# Altium PCB qfc.PcbDoc (part 13 of 13)
Units mil, origin at the board's own origin, x right, y up, seen from the top; angles counter-clockwise.
Board outline 1990 x 2620 mil, 4 copper layers (Top Layer, Mid-Layer 1, Mid-Layer 2, Bottom Layer); 217 components, 187 nets, 805 pads, 370 vias.
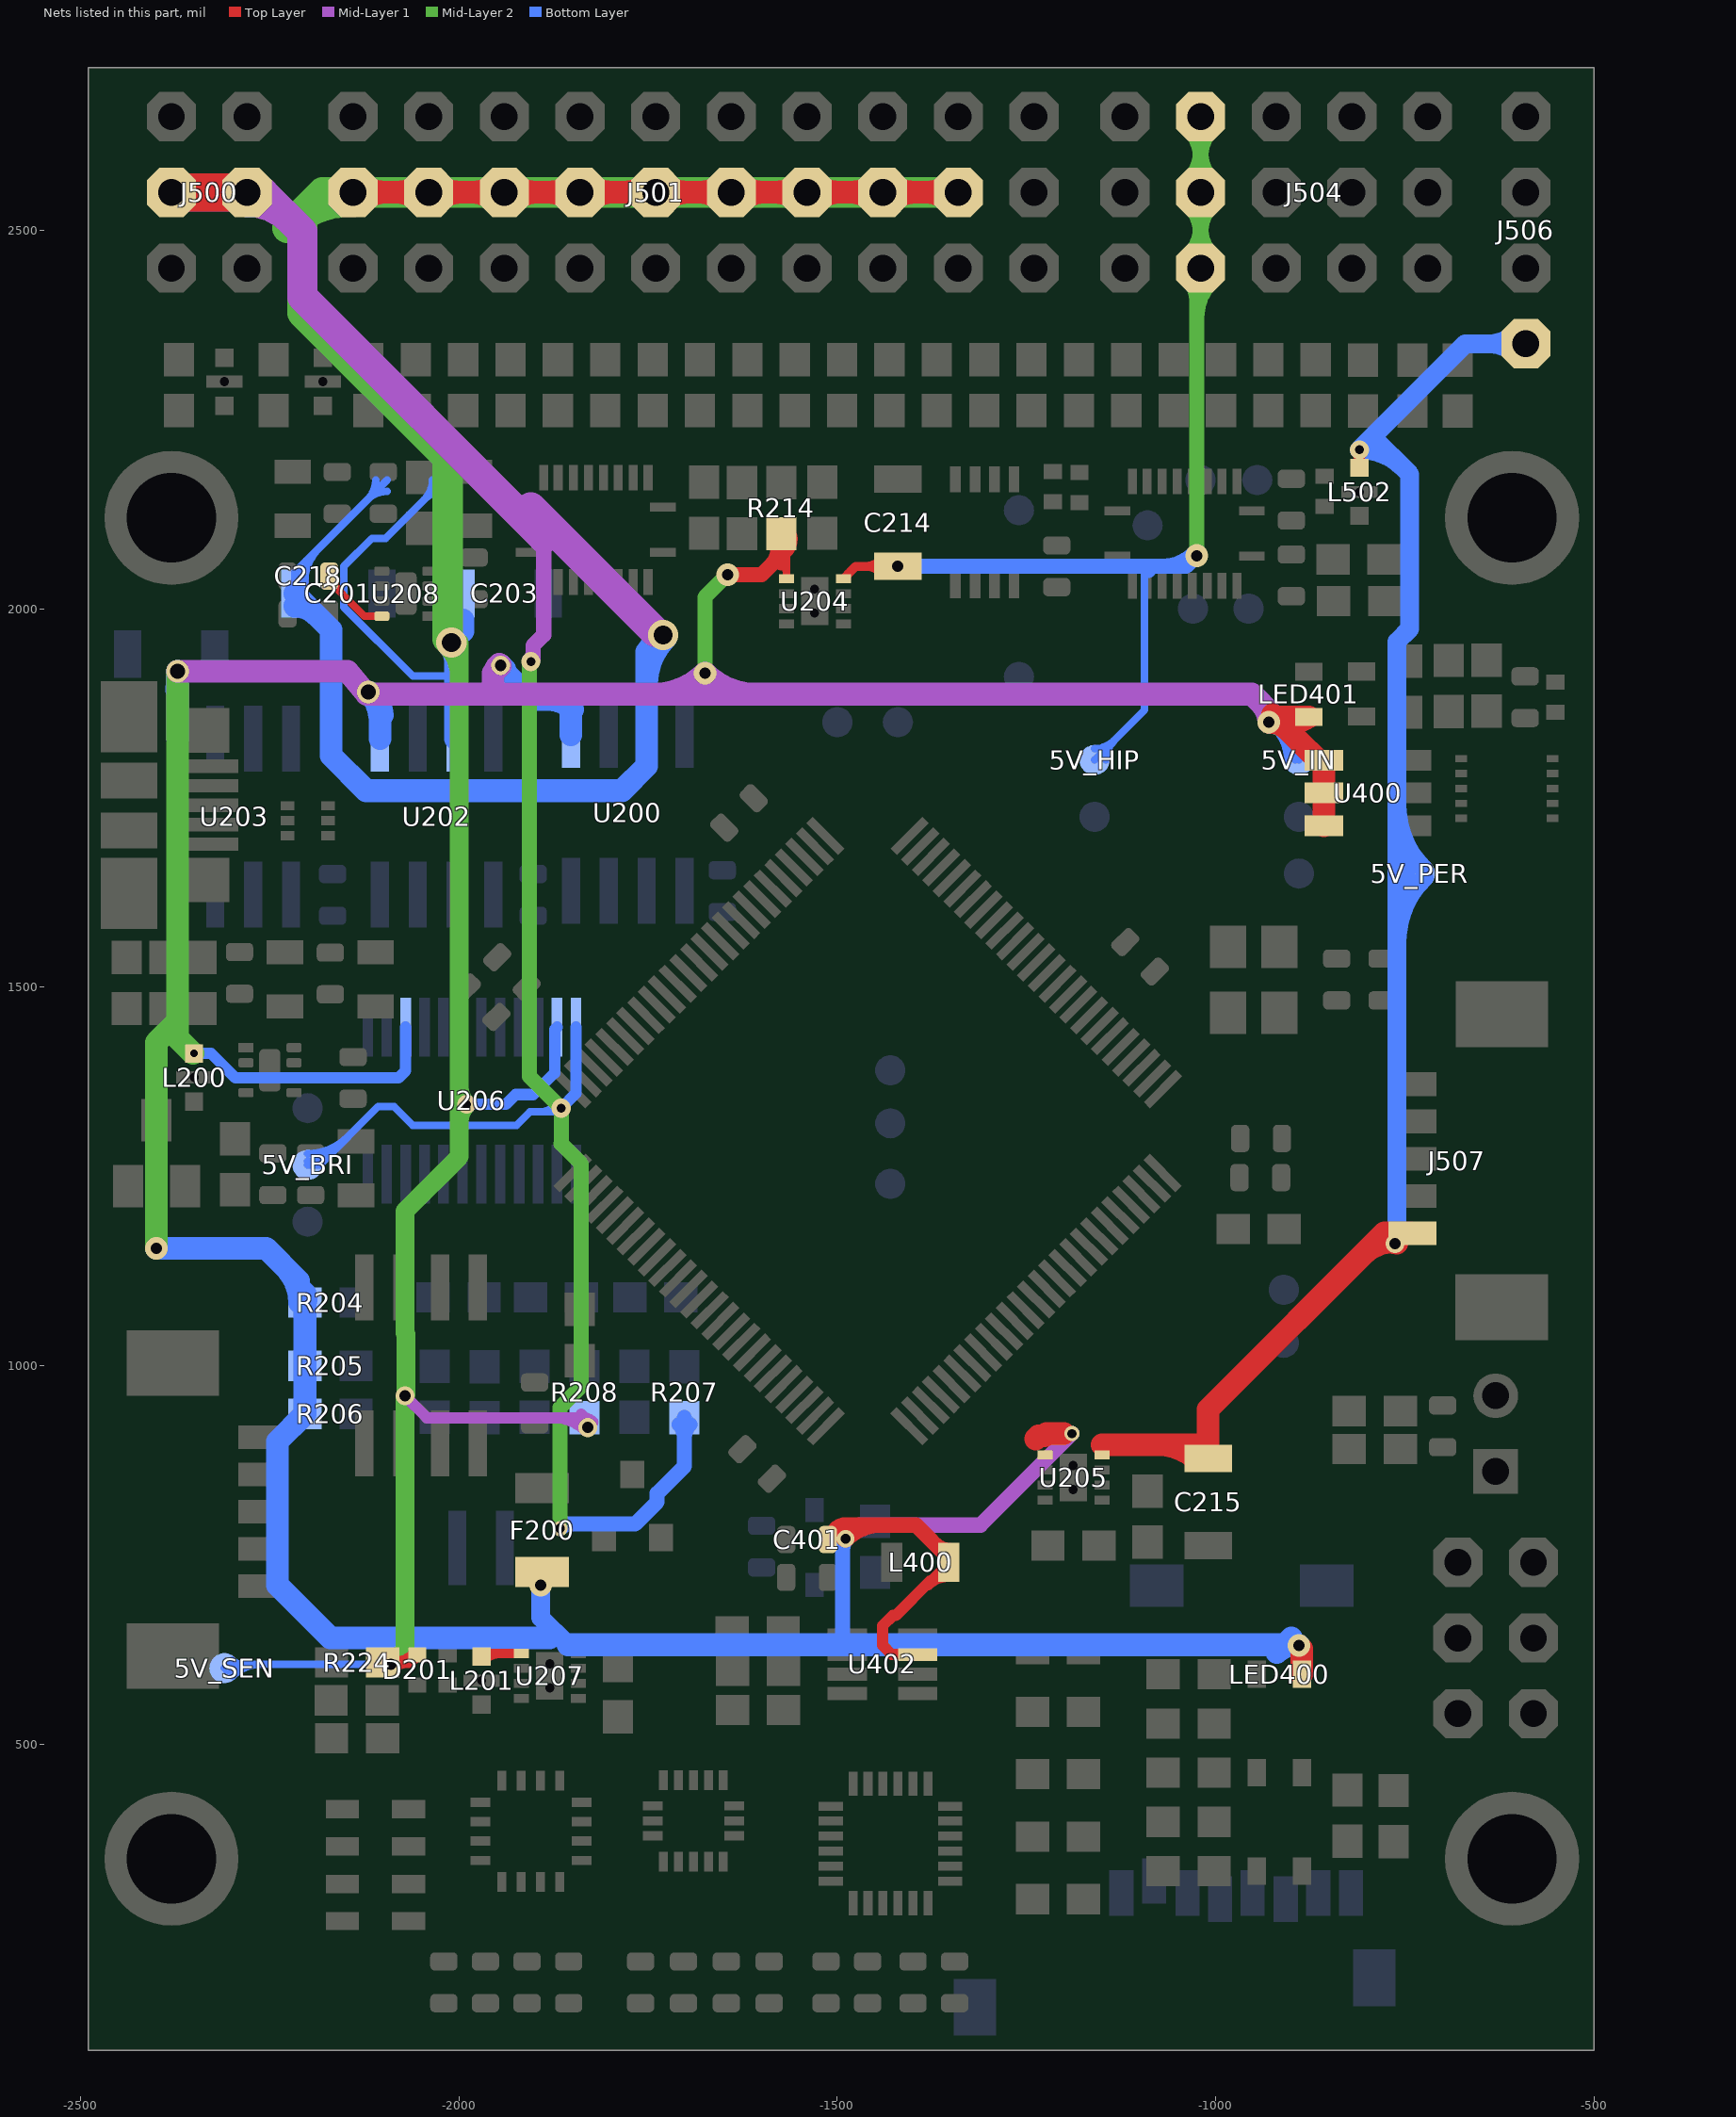
[diagram p15: the nets of this part, all layers, seen from the top]

## Via types
v1: diameter 20, hole 10, Top Layer to Bottom Layer, tented both sides, 256 vias
v2: diameter 22, hole 12, Top Layer to Bottom Layer, tented both sides, 31 vias
v3: diameter 25, hole 15, Top Layer to Bottom Layer, tented both sides, 29 vias
v4: diameter 20, hole 12, Top Layer to Bottom Layer, tented both sides, 17 vias
v5: diameter 30, hole 15, Top Layer to Bottom Layer, tented both sides, 12 vias
v6: diameter 25, hole 12, Top Layer to Bottom Layer, tented both sides, 11 vias
v7: diameter 25, hole 13, Top Layer to Bottom Layer, tented both sides, 5 vias
v8: diameter 40, hole 25, Top Layer to Bottom Layer, tented both sides, 2 vias
v9: diameter 23, hole 13, Top Layer to Bottom Layer, tented both sides, 2 vias
v10: diameter 30, hole 20, Top Layer to Bottom Layer, tented both sides, 2 vias
v11: diameter 20, hole 13, Top Layer to Bottom Layer, tented both sides, 1 vias
v12: diameter 20, hole 15, Top Layer to Bottom Layer, tented both sides, 1 vias
v13: diameter 30, hole 18, Top Layer to Bottom Layer, tented both sides, 1 vias

## Nets (pads, with @x,y where several pads share a name; then routed paths per layer and width w, separated by ;. In a path a pad name is that pad's centre, name@x,y a point inside that pad or via, vN(x,y) a via of type N, cw(c..) or ccw(c..) an arc to the next point about the centre after c; other vN are vias at no path point) (continued)
VDD_3V3_SPEKTRUM: C218.P$1 U208.8 | length 413.8
  Top Layer w10: C218.P$1@-2171.44,2043 -2171.44,2036.4 -2158.04,2023 -2157.99,2023 -2147.44,2012.46 -2147.44,2012.4 -2125.04,1990 U208.8@-2102,1990 ; C218.P$1@-2171.44,2030 cw(c-2171.44,2014.42) -2160.42,2025.44 ; C218.P$1@-2171.44,2030 cw(c-2171.44,2014.42) -2160.42,2025.44 ; C218.P$1@-2171.44,2030 cw(c-2171.44,2014.55) -2160.52,2025.48 ; C218.P$1@-2171.44,2030 cw(c-2171.44,2014.42) -2160.42,2025.44 ; C218.P$1@-2171.44,2030 cw(c-2171.44,2014.42) -2160.42,2025.44 ; C218.P$1@-2171.44,2030 cw(c-2171.44,2014.55) -2160.52,2025.48 ; C218.P$1@-2171.44,2030 cw(c-2171.44,2014.42) -2160.42,2025.44 ; C218.P$1@-2171.44,2030 cw(c-2171.44,2014.42) -2160.42,2025.44 ; C218.P$1@-2171.44,2030 cw(c-2171.44,2014.55) -2160.52,2025.48 ; C218.P$1@-2171.44,2030 cw(c-2171.44,2014.42) -2160.42,2025.44 ; C218.P$1@-2171.44,2030 cw(c-2171.44,2014.42) -2160.42,2025.44 ; C218.P$1@-2171.44,2030 cw(c-2171.44,2014.55) -2160.52,2025.48 ; C218.P$1@-2164.44,2037 ccw(c-2146.23,2037) -2159.11,2024.12 ; C218.P$1@-2164.44,2037 ccw(c-2146.23,2037) -2159.11,2024.12 ; C218.P$1@-2164.44,2037 ccw(c-2146.09,2037) -2159.07,2024.03 ; C218.P$1@-2164.44,2037 ccw(c-2146.23,2037) -2159.11,2024.12 ; C218.P$1@-2164.44,2037 ccw(c-2146.23,2037) -2159.11,2024.12 ; C218.P$1@-2164.44,2037 ccw(c-2146.09,2037) -2159.07,2024.03 ; C218.P$1@-2164.44,2037 ccw(c-2146.23,2037) -2159.11,2024.12 ; C218.P$1@-2164.44,2037 ccw(c-2146.23,2037) -2159.11,2024.12 ; C218.P$1@-2164.44,2037 ccw(c-2146.09,2037) -2159.07,2024.03 ; C218.P$1@-2164.44,2037 ccw(c-2146.23,2037) -2159.11,2024.12 ; C218.P$1@-2164.44,2037 ccw(c-2146.23,2037) -2159.11,2024.12 ; C218.P$1@-2164.44,2037 ccw(c-2146.09,2037) -2159.07,2024.03
VDD_5V_BRICK: 5V_BRI.P$1 C201.P$1 J500.VCC R207.2 U200.7 U206.24 | length 5995.9
  Top Layer w50: J500.VCC@-2380,2550 J500.VCC@-2280,2550
  Mid-Layer 1 w20: v6@-1902,1933 -1902,1951.18 -1888,1965.18 -1888,2093 ; v6@-1906.77,1931.77 ccw(c-1918.28,1943.28) -1902,1943.28 ; v6@-1906.77,1931.77 ccw(c-1918.28,1943.28) -1902,1943.28 ; v6@-1906.77,1931.77 ccw(c-1918.28,1943.28) -1902,1943.28
  Mid-Layer 1 w40: J500.VCC@-2280,2550 -2259,2550 -2207,2498 -2207,2412 -1888,2093 ; -1905,2134 v8@-1740,1969 ; J500.VCC@-2280,2537.5 cw(c-2280,2456.63) -2222.81,2513.81 ; J500.VCC@-2280,2537.5 cw(c-2280,2456.63) -2222.81,2513.81 ; J500.VCC@-2280,2537.5 cw(c-2280,2456.63) -2222.81,2513.81 ; J500.VCC@-2280,2537.5 cw(c-2280,2456.63) -2222.81,2513.81
  Mid-Layer 1 w50: J500.VCC@-2380,2550 J500.VCC@-2280,2550
  Mid-Layer 2 w20: v6@-1907,1928 -1907,1382 v6(-1865,1340) ; v11(-1866.5,784.5) -1866.5,944.46 -1838.47,972.5 -1838.47,1266.47 -1865,1293 ; -1864.5,1296.16 v6@-1864.5,1339.5
  Bottom Layer w10: C201.P$1@-2217.09,2020 -2217.09,2047.91 -2095,2170 ; 5V_BRI.P$1@-2200,1265 -2184,1265 -2107,1342 -2085.89,1342 -2061.39,1317.5 -1923.77,1317.5 -1906.27,1335 -1870,1335 v6(-1865,1340) ; -2110,2170 cw(c-2146.21,2170) -2120.61,2144.39 cw(c-2095,2118.79) -2095,2155 ; C201.P$1@-2214.09,2033.5 cw(c-2172.04,2033.5) -2201.77,2063.23 ; C201.P$1@-2214.09,2033.5 cw(c-2172.04,2033.5) -2201.77,2063.23 ; C201.P$1@-2214.09,2033.5 cw(c-2172.04,2033.5) -2201.77,2063.23 ; C201.P$1@-2214.09,2033.5 cw(c-2172.04,2033.5) -2201.77,2063.23 ; C201.P$1@-2204.09,2033.5 cw(c-2137.9,2033.5) -2184.7,2080.3 ; C201.P$1@-2204.09,2033.5 cw(c-2137.9,2033.5) -2184.7,2080.3 ; C201.P$1@-2204.09,2033.5 cw(c-2137.9,2033.5) -2184.7,2080.3 ; C201.P$1@-2204.09,2033.5 cw(c-2137.9,2033.5) -2184.7,2080.3 ; 5V_BRI.P$1@-2200,1270 ccw(c-2200,1320.7) -2164.15,1284.85 ; 5V_BRI.P$1@-2200,1270 ccw(c-2200,1320.7) -2164.15,1284.85 ; 5V_BRI.P$1@-2200,1270 ccw(c-2200,1320.7) -2164.15,1284.85 ; 5V_BRI.P$1@-2200,1280 ccw(c-2200,1354.84) -2147.08,1301.92 ; 5V_BRI.P$1@-2200,1280 ccw(c-2200,1354.84) -2147.08,1301.92 ; 5V_BRI.P$1@-2200,1280 ccw(c-2200,1354.84) -2147.08,1301.92 ; -1895.18,1335 ccw(c-1895.18,1370.18) v6@-1870.3,1345.3 ; -1895.18,1335 ccw(c-1895.18,1370.18) v6@-1870.3,1345.3 ; -1895.18,1335 ccw(c-1895.18,1370.18) v6@-1870.3,1345.3
  Bottom Layer w15: v6(-1865,1340) -1845.5,1359.5 U206.24@-1845.5,1447
  Bottom Layer w20: v11@-1860.5,790.5 -1767.43,790.5 -1738.06,819.87 -1738.06,830.89 -1702,866.94 R207.2@-1702,931 ; v11(-1866.5,784.5) cw(c-1852.01,770.01) -1852.01,790.5 ; v11(-1866.5,784.5) cw(c-1852.01,770.01) -1852.01,790.5 ; v11(-1866.5,784.5) cw(c-1852.01,770.01) -1852.01,790.5 ; R207.2@-1709.07,921.93 cw(c-1726.14,904.86) -1702,904.86 ; R207.2@-1709.07,921.93 cw(c-1726.14,904.86) -1702,904.86 ; R207.2@-1709.07,921.93 cw(c-1726.14,904.86) -1702,904.86 ; R207.2@-1709.07,921.93 cw(c-1726.14,904.86) -1702,904.86 ; -1702,904.86 cw(c-1677.86,904.86) R207.2@-1694.93,921.93 ; -1702,904.86 cw(c-1677.86,904.86) R207.2@-1694.93,921.93 ; -1702,904.86 cw(c-1677.86,904.86) R207.2@-1694.93,921.93 ; -1702,904.86 cw(c-1677.86,904.86) R207.2@-1694.93,921.93
  Bottom Layer w30: C201.P$1@-2217.09,2020 -2169,1971.91 -2169,1805.89 -2122.61,1759.5 -1784.64,1759.5 -1752,1792.15 U200.7@-1752,1833 ; -1752,1878 U200.7@-1752,1833 ; v8(-1730,1965) -1752,1943 U200.7@-1752,1833 ; C201.P$1@-2217.09,2003.5 cw(c-2217.09,1963.66) -2188.92,1991.83 ; C201.P$1@-2217.09,2003.5 cw(c-2217.09,1963.66) -2188.92,1991.83 ; C201.P$1@-2217.09,2003.5 cw(c-2217.09,1963.66) -2188.92,1991.83 ; C201.P$1@-2217.09,2003.5 cw(c-2217.09,1963.66) -2188.92,1991.83 ; -1752,1899.82 cw(c-1664.82,1899.82) v8@-1726.46,1961.46 ; -1752,1899.82 cw(c-1664.82,1899.82) v8@-1726.46,1961.46 ; -1752,1899.82 cw(c-1664.82,1899.82) v8@-1726.46,1961.46 ; -1752,1933.89 cw(c-1725.58,1933.89) v8@-1729.3,1960.05 ; -1752,1933.89 cw(c-1725.58,1933.89) v8@-1729.3,1960.05 ; -1752,1933.89 cw(c-1725.58,1933.89) v8@-1729.3,1960.05
  other v6: -1905,1930
VDD_5V_HIPOWER: 5V_HIP.P$1 C214.P$1 J504.VCC U204.8 | length 3824.3
  Top Layer w12: U204.8@-1492,2039.53 -1475.61,2055.91 v5(-1420,2055.91) ; U204.8@-1488,2039.53 cw(c-1478.34,2039.53) -1485.17,2046.36 ; U204.8@-1488,2039.53 cw(c-1478.34,2039.53) -1485.17,2046.36 ; U204.8@-1488,2039.53 cw(c-1478.34,2039.53) -1485.17,2046.36 ; U204.8@-1488,2039.53 cw(c-1478.34,2039.53) -1485.17,2046.36 ; -1462.47,2055.91 cw(c-1462.47,2026.94) C214.P$1@-1441.99,2047.43 ; -1462.47,2055.91 ccw(c-1462.47,2084.88) C214.P$1@-1441.99,2064.4 ; -1462.47,2055.91 cw(c-1462.47,2026.94) C214.P$1@-1441.99,2047.43 ; -1462.47,2055.91 ccw(c-1462.47,2084.88) C214.P$1@-1441.99,2064.4 ; -1462.47,2055.91 cw(c-1462.47,2026.94) C214.P$1@-1441.99,2047.43 ; -1462.47,2055.91 ccw(c-1462.47,2084.88) C214.P$1@-1441.99,2064.4 ; -1462.47,2055.91 cw(c-1462.47,2026.94) C214.P$1@-1441.99,2047.43 ; -1462.47,2055.91 ccw(c-1462.47,2084.88) C214.P$1@-1441.99,2064.4 ; C214.P$1@-1441.73,2055.91 cw(c-1441.73,2034.19) C214.P$1@-1426.36,2049.55 ; C214.P$1@-1441.73,2055.91 ccw(c-1441.73,2077.64) C214.P$1@-1426.36,2062.28 ; C214.P$1@-1441.73,2055.91 cw(c-1441.73,2034.19) C214.P$1@-1426.36,2049.55 ; C214.P$1@-1441.73,2055.91 ccw(c-1441.73,2077.64) C214.P$1@-1426.36,2062.28 ; C214.P$1@-1441.73,2055.91 cw(c-1441.73,2034.19) C214.P$1@-1426.36,2049.55 ; C214.P$1@-1441.73,2055.91 ccw(c-1441.73,2077.64) C214.P$1@-1426.36,2062.28 ; C214.P$1@-1441.73,2055.91 cw(c-1441.73,2034.19) C214.P$1@-1426.36,2049.55 ; C214.P$1@-1441.73,2055.91 ccw(c-1441.73,2077.64) C214.P$1@-1426.36,2062.28
  Mid-Layer 2 w20: v5(-1025,2070) -1025,2445 J504.VCC@-1020,2450 J504.VCC@-1020,2550 J504.VCC@-1020,2650 ; J504.VCC@-1035.91,2434.09 cw(c-1062.25,2407.75) -1025,2407.75 ; J504.VCC@-1035.91,2434.09 cw(c-1062.25,2407.75) -1025,2407.75 ; J504.VCC@-1035.91,2434.09 cw(c-1062.25,2407.75) -1025,2407.75 ; J504.VCC@-1035.91,2434.09 cw(c-1062.25,2407.75) -1025,2407.75 ; J504.VCC@-1035.91,2465.91 ccw(c-1074.32,2504.32) -1020,2504.32 ; J504.VCC@-1035.91,2465.91 ccw(c-1074.32,2504.32) -1020,2504.32 ; J504.VCC@-1035.91,2465.91 ccw(c-1074.32,2504.32) -1020,2504.32 ; J504.VCC@-1035.91,2465.91 ccw(c-1074.32,2504.32) -1020,2504.32 ; J504.VCC@-1035.91,2534.09 cw(c-1074.32,2495.68) -1020,2495.68 ; J504.VCC@-1035.91,2534.09 cw(c-1074.32,2495.68) -1020,2495.68 ; J504.VCC@-1035.91,2534.09 cw(c-1074.32,2495.68) -1020,2495.68 ; J504.VCC@-1035.91,2534.09 cw(c-1074.32,2495.68) -1020,2495.68 ; J504.VCC@-1035.91,2565.91 ccw(c-1074.32,2604.32) -1020,2604.32 ; J504.VCC@-1035.91,2565.91 ccw(c-1074.32,2604.32) -1020,2604.32 ; J504.VCC@-1035.91,2565.91 ccw(c-1074.32,2604.32) -1020,2604.32 ; J504.VCC@-1035.91,2565.91 ccw(c-1074.32,2604.32) -1020,2604.32 ; J504.VCC@-1035.91,2634.09 cw(c-1074.32,2595.68) -1020,2595.68 ; J504.VCC@-1035.91,2634.09 cw(c-1074.32,2595.68) -1020,2595.68 ; J504.VCC@-1035.91,2634.09 cw(c-1074.32,2595.68) -1020,2595.68 ; J504.VCC@-1035.91,2634.09 cw(c-1074.32,2595.68) -1020,2595.68 ; -1025,2383.61 cw(c-953.61,2383.61) J504.VCC@-1004.09,2434.09 ; -1025,2383.61 cw(c-953.61,2383.61) J504.VCC@-1004.09,2434.09 ; -1025,2383.61 cw(c-953.61,2383.61) J504.VCC@-1004.09,2434.09 ; -1025,2383.61 cw(c-953.61,2383.61) J504.VCC@-1004.09,2434.09 ; -1020,2495.68 cw(c-965.68,2495.68) J504.VCC@-1004.09,2534.09 ; -1020,2495.68 cw(c-965.68,2495.68) J504.VCC@-1004.09,2534.09 ; -1020,2495.68 cw(c-965.68,2495.68) J504.VCC@-1004.09,2534.09 ; -1020,2495.68 cw(c-965.68,2495.68) J504.VCC@-1004.09,2534.09 ; -1020,2504.32 ccw(c-965.68,2504.32) J504.VCC@-1004.09,2465.91 ; -1020,2504.32 ccw(c-965.68,2504.32) J504.VCC@-1004.09,2465.91 ; -1020,2504.32 ccw(c-965.68,2504.32) J504.VCC@-1004.09,2465.91 ; -1020,2504.32 ccw(c-965.68,2504.32) J504.VCC@-1004.09,2465.91 ; -1020,2595.68 cw(c-965.68,2595.68) J504.VCC@-1004.09,2634.09 ; -1020,2595.68 cw(c-965.68,2595.68) J504.VCC@-1004.09,2634.09 ; -1020,2595.68 cw(c-965.68,2595.68) J504.VCC@-1004.09,2634.09 ; -1020,2595.68 cw(c-965.68,2595.68) J504.VCC@-1004.09,2634.09 ; -1020,2604.32 ccw(c-965.68,2604.32) J504.VCC@-1004.09,2565.91 ; -1020,2604.32 ccw(c-965.68,2604.32) J504.VCC@-1004.09,2565.91 ; -1020,2604.32 ccw(c-965.68,2604.32) J504.VCC@-1004.09,2565.91 ; -1020,2604.32 ccw(c-965.68,2604.32) J504.VCC@-1004.09,2565.91
  Bottom Layer w10: 5V_HIP.P$1@-1160,1800 -1093.82,1866.18 -1093.82,2035.82 -1094,2035.99 -1094,2055.91 ; 5V_HIP.P$1@-1160,1815 ccw(c-1160,1851.21) -1134.39,1825.61 ; 5V_HIP.P$1@-1160,1815 ccw(c-1160,1851.21) -1134.39,1825.61 ; 5V_HIP.P$1@-1160,1815 ccw(c-1160,1851.21) -1134.39,1825.61 ; 5V_HIP.P$1@-1160,1815 ccw(c-1160,1851.21) -1134.39,1825.61 ; 5V_HIP.P$1@-1145,1800 cw(c-1108.79,1800) -1134.39,1825.61 ; 5V_HIP.P$1@-1145,1800 cw(c-1108.79,1800) -1134.39,1825.61 ; 5V_HIP.P$1@-1145,1800 cw(c-1108.79,1800) -1134.39,1825.61 ; 5V_HIP.P$1@-1145,1800 cw(c-1108.79,1800) -1134.39,1825.61
  Bottom Layer w20: v5(-1420,2055.91) -1094,2055.91 ; -1088.82,2050.74 -1094,2055.91 ; v5(-1025,2070) -1039.09,2055.91 -1094,2055.91 ; -1071.08,2055.91 ccw(c-1071.08,2116.08) v5@-1028.54,2073.54 ; -1071.08,2055.91 ccw(c-1071.08,2116.08) v5@-1028.54,2073.54 ; -1071.08,2055.91 ccw(c-1071.08,2116.08) v5@-1028.54,2073.54 ; -1071.08,2055.91 ccw(c-1071.08,2116.08) v5@-1028.54,2073.54
VDD_5V_IN: 5V_IN.P$1 C401.P$1 F200.2 L200.P$1 L400.P$1 LED400.A LED401.A R204.2 R205.2 R206.2 R214.2 U200.5 U202.5 U203.5 U204.1 U205.1 U206.15 U400.A1 U400.A2 U400.A3 U402.3 | length 11081.5
  Top Layer w10: U204.1@-1567.4,2039.53 R214.2@-1567.4,2092.4 ; R214.2@-1584.61,2086.39 cw(c-1626.15,2044.86) U204.1@-1567.4,2044.86 ; R214.2@-1584.61,2086.39 cw(c-1626.15,2044.86) U204.1@-1567.4,2044.86 ; R214.2@-1584.61,2086.39 cw(c-1626.15,2044.86) U204.1@-1567.4,2044.86 ; R214.2@-1584.61,2086.39 cw(c-1626.15,2044.86) U204.1@-1567.4,2044.86 ; R214.2@-1577.54,2093.46 cw(c-1602,2069) -1567.4,2069 ; R214.2@-1577.54,2093.46 cw(c-1602,2069) -1567.4,2069 ; R214.2@-1577.54,2093.46 cw(c-1602,2069) -1567.4,2069 ; R214.2@-1577.54,2093.46 cw(c-1602,2069) -1567.4,2069 ; -1567.4,2076.72 cw(c-1553.72,2076.72) R214.2@-1563.39,2086.39 ; -1567.4,2076.72 cw(c-1553.72,2076.72) R214.2@-1563.39,2086.39 ; -1567.4,2076.72 cw(c-1553.72,2076.72) R214.2@-1563.39,2086.39 ; -1567.4,2076.72 cw(c-1553.72,2076.72) R214.2@-1563.39,2086.39
  Top Layer w15: U402.3@-1393.74,618 -1428,618 -1440,630 -1440,656.35 -1426.35,670 -1422.6,670 -1377.1,715.5 -1374.85,715.5 -1360.5,729.85 -1360.5,732.1 L400.P$1@-1352.6,740 ; -1200.35,910 v4(-1190,910) ; -1379.73,710.62 cw(c-1353.45,684.35) L400.P$1@-1352.72,721.5 ; -1379.73,710.62 cw(c-1353.45,684.35) L400.P$1@-1352.72,721.5 ; -1379.73,710.62 cw(c-1353.45,684.35) L400.P$1@-1352.72,721.5 ; -1379.73,710.62 cw(c-1353.45,684.35) L400.P$1@-1352.72,721.5
  Top Layer w20: v5(-1645,2045) -1600,2045 -1574,2071 ; -1574,2060.67 -1574,2071 ; R214.2@-1574,2099 -1574,2071 ; C401.P$1@-1502.08,784.08 cw(c-1489.83,771.83) -1489.83,789.16 ; v9@-1492,771 -1492,789.16 ; -1489,789.16 -1395.97,789.16 -1352.6,745.78 L400.P$1@-1352.6,740 ; -1587,2058 ccw(c-1606.8,2077.8) R214.2@-1582.63,2091.95 ; -1587,2058 ccw(c-1606.8,2077.8) R214.2@-1582.63,2091.95 ; -1587,2058 ccw(c-1606.8,2077.8) R214.2@-1582.63,2091.95 ; -1587,2058 ccw(c-1606.8,2077.8) R214.2@-1582.63,2091.95 ; R214.2@-1581.07,2089.93 cw(c-1598.14,2072.86) -1574,2072.86 ; R214.2@-1581.07,2089.93 cw(c-1598.14,2072.86) -1574,2072.86 ; R214.2@-1581.07,2089.93 cw(c-1598.14,2072.86) -1574,2072.86 ; R214.2@-1581.07,2089.93 cw(c-1598.14,2072.86) -1574,2072.86 ; R214.2@-1581.07,2089.93 cw(c-1598.14,2072.86) -1574,2072.86 ; R214.2@-1581.07,2089.93 cw(c-1598.14,2072.86) -1574,2072.86 ; R214.2@-1581.07,2089.93 cw(c-1598.14,2072.86) -1574,2072.86 ; R214.2@-1581.07,2089.93 cw(c-1598.14,2072.86) -1574,2072.86 ; R214.2@-1581.07,2089.93 cw(c-1598.14,2072.86) -1574,2072.86 ; R214.2@-1581.07,2089.93 cw(c-1598.14,2072.86) -1574,2072.86 ; R214.2@-1581.07,2089.93 cw(c-1598.14,2072.86) -1574,2072.86 ; R214.2@-1581.07,2089.93 cw(c-1598.14,2072.86) -1574,2072.86 ; -1574,2072.86 cw(c-1549.86,2072.86) R214.2@-1566.93,2089.93 ; -1574,2072.86 cw(c-1549.86,2072.86) R214.2@-1566.93,2089.93 ; -1574,2072.86 cw(c-1549.86,2072.86) R214.2@-1566.93,2089.93 ; -1574,2072.86 cw(c-1549.86,2072.86) R214.2@-1566.93,2089.93 ; -1574,2072.86 cw(c-1549.86,2072.86) R214.2@-1566.93,2089.93 ; -1574,2072.86 cw(c-1549.86,2072.86) R214.2@-1566.93,2089.93 ; -1574,2072.86 cw(c-1549.86,2072.86) R214.2@-1566.93,2089.93 ; -1574,2072.86 cw(c-1549.86,2072.86) R214.2@-1566.93,2089.93 ; -1574,2072.86 cw(c-1549.86,2072.86) R214.2@-1566.93,2089.93 ; -1574,2072.86 cw(c-1549.86,2072.86) R214.2@-1566.93,2089.93 ; -1574,2072.86 cw(c-1549.86,2072.86) R214.2@-1566.93,2089.93 ; -1574,2072.86 cw(c-1549.86,2072.86) R214.2@-1566.93,2089.93 ; -1568.68,2076.32 ccw(c-1583.69,2091.33) R214.2@-1565.37,2102.05 ; -1568.68,2076.32 ccw(c-1583.69,2091.33) R214.2@-1565.37,2102.05 ; -1568.68,2076.32 ccw(c-1583.69,2091.33) R214.2@-1565.37,2102.05 ; -1568.68,2076.32 ccw(c-1583.69,2091.33) R214.2@-1565.37,2102.05 ; v9@-1487.94,769.94 cw(c-1441.55,723.55) -1441.55,789.16 ; v9@-1487.94,769.94 cw(c-1441.55,723.55) -1441.55,789.16 ; v9@-1487.94,769.94 cw(c-1441.55,723.55) -1441.55,789.16 ; v9@-1487.94,769.94 cw(c-1441.55,723.55) -1441.55,789.16 ; -1370.04,763.23 ccw(c-1352.6,780.67) L400.P$1@-1352.6,756 ; -1370.04,763.23 ccw(c-1352.6,780.67) L400.P$1@-1352.6,756 ; -1370.04,763.23 ccw(c-1352.6,780.67) L400.P$1@-1352.6,756 ; -1370.04,763.23 ccw(c-1352.6,780.67) L400.P$1@-1352.6,756
  Top Layer w30: -1238,903 -1234,907 -1226.33,907 -1223.33,910 -1200.35,910 ; LED400.A@-885.98,592 v5@-885.98,625.98 ; LED401.A@-877,1857 -922,1857 -899.5,1834.5 -856.76,1791.76 U400.A2@-856.76,1756.51 U400.A1@-856.76,1713.2 ; v5(-930,1850) cw(c-913.1,1833.1) -913.1,1857 ; v5(-930,1850) cw(c-930,1813.79) -904.39,1839.39 ; v5(-930,1850) cw(c-913.1,1833.1) -913.1,1857 ; v5(-930,1850) cw(c-930,1813.79) -904.39,1839.39 ; v5(-930,1850) cw(c-913.1,1833.1) -913.1,1857 ; v5(-930,1850) cw(c-930,1813.79) -904.39,1839.39 ; v5(-930,1850) cw(c-913.1,1833.1) -913.1,1857 ; v5(-930,1850) cw(c-930,1813.79) -904.39,1839.39 ; v5@-925,1860 ccw(c-899.62,1885.37) LED401.A@-881.48,1854.41 ; v5@-925,1860 ccw(c-899.62,1885.37) LED401.A@-881.48,1854.41 ; v5@-925,1860 ccw(c-899.62,1885.37) LED401.A@-881.48,1854.41 ; v5@-925,1860 ccw(c-899.62,1885.37) LED401.A@-881.48,1854.41
  Mid-Layer 1 w20: v9@-1489,769 v9(-1489,771) -1470.84,789.16 -1310.84,789.16 v4(-1190,910)
  Mid-Layer 1 w30: v10(-2372,1917) -2147,1917 -2122.66,1887.79 v10@-2122,1887 ; v10(-2120,1890) v10@-2122,1887 ; v3(-1945,1925) -1955,1915 -1955,1887 ; v10@-2122,1887 -1955,1887 ; -1955,1887 -1665,1887 ; -1955,1906.89 cw(c-1926.89,1906.89) v3@-1946.77,1926.77 ; -1955,1906.89 cw(c-1926.89,1906.89) v3@-1946.77,1926.77 ; -1955,1906.89 cw(c-1926.89,1906.89) v3@-1946.77,1926.77 ; -1955,1906.89 cw(c-1926.89,1906.89) v3@-1946.77,1926.77 ; -1742.6,1887 ccw(c-1742.6,1982.6) v5(-1675,1915) ; -1742.6,1887 ccw(c-1742.6,1982.6) v5(-1675,1915) ; -1742.6,1887 ccw(c-1742.6,1982.6) v5(-1675,1915) ; -1742.6,1887 ccw(c-1742.6,1982.6) v5(-1675,1915) ; v5(-1675,1915) ccw(c-1607.4,1982.6) -1607.4,1887 ; v5(-1675,1915) cw(c-1699.14,1890.86) -1665,1890.86 ; v5(-1675,1915) ccw(c-1607.4,1982.6) -1607.4,1887 ; v5(-1675,1915) cw(c-1699.14,1890.86) -1665,1890.86 ; v5(-1675,1915) ccw(c-1607.4,1982.6) -1607.4,1887 ; v5(-1675,1915) cw(c-1699.14,1890.86) -1665,1890.86 ; v5(-1675,1915) ccw(c-1607.4,1982.6) -1607.4,1887 ; v5(-1675,1915) cw(c-1699.14,1890.86) -1665,1890.86 ; v5(-1675,1915) -1665,1905 -1665,1887 ; -1665,1887 -952,1887 -925,1860 -930,1855 v5(-930,1850) ; -940.61,1875.61 cw(c-966.21,1850) v5(-930,1850) ; -940.61,1875.61 cw(c-966.21,1850) v5(-930,1850) ; -940.61,1875.61 cw(c-966.21,1850) v5(-930,1850) ; -940.61,1875.61 cw(c-966.21,1850) v5(-930,1850)
  Mid-Layer 2 w20: v5(-1675,1915) -1675,2015 v5(-1645,2045)
  Mid-Layer 2 w30: v5(-2400,1155) -2400,1427 -2372,1455 ; v10(-2372,1917) -2372,1455 ; v1@-2351.5,1412.24 -2372,1432.74 -2372,1455
  Bottom Layer w10: v5(-930,1850) -890,1810 5V_IN.P$1@-890,1800 ; v5@-930,1840 cw(c-930,1815.86) -912.93,1832.93 ; v5@-930,1840 cw(c-930,1815.86) -912.93,1832.93 ; v5@-930,1840 cw(c-930,1815.86) -912.93,1832.93 ; v5@-930,1840 cw(c-930,1815.86) -912.93,1832.93 ; v5@-922.68,1842.68 cw(c-965.36,1800) 5V_IN.P$1@-905,1800 ; v5@-922.68,1842.68 cw(c-965.36,1800) 5V_IN.P$1@-905,1800 ; v5@-922.68,1842.68 cw(c-965.36,1800) 5V_IN.P$1@-905,1800 ; v5@-922.68,1842.68 cw(c-965.36,1800) 5V_IN.P$1@-905,1800 ; v5@-920,1850 ccw(c-895.86,1850) -912.93,1832.93 ; v5@-920,1850 ccw(c-895.86,1850) -912.93,1832.93 ; v5@-920,1850 ccw(c-895.86,1850) -912.93,1832.93 ; v5@-920,1850 ccw(c-895.86,1850) -912.93,1832.93 ; -905.61,1825.61 cw(c-931.21,1800) 5V_IN.P$1@-895,1800 ; -905.61,1825.61 cw(c-931.21,1800) 5V_IN.P$1@-895,1800 ; -905.61,1825.61 cw(c-931.21,1800) 5V_IN.P$1@-895,1800 ; -905.61,1825.61 cw(c-931.21,1800) 5V_IN.P$1@-895,1800 ; -898.54,1818.54 ccw(c-890,1827.07) 5V_IN.P$1@-890,1815 ; -898.54,1818.54 ccw(c-890,1827.07) 5V_IN.P$1@-890,1815 ; -898.54,1818.54 ccw(c-890,1827.07) 5V_IN.P$1@-890,1815 ; -898.54,1818.54 ccw(c-890,1827.07) 5V_IN.P$1@-890,1815